# Altium PCB IMX6 DEV BOARD.PcbDoc (part 1 of 12) (continued)
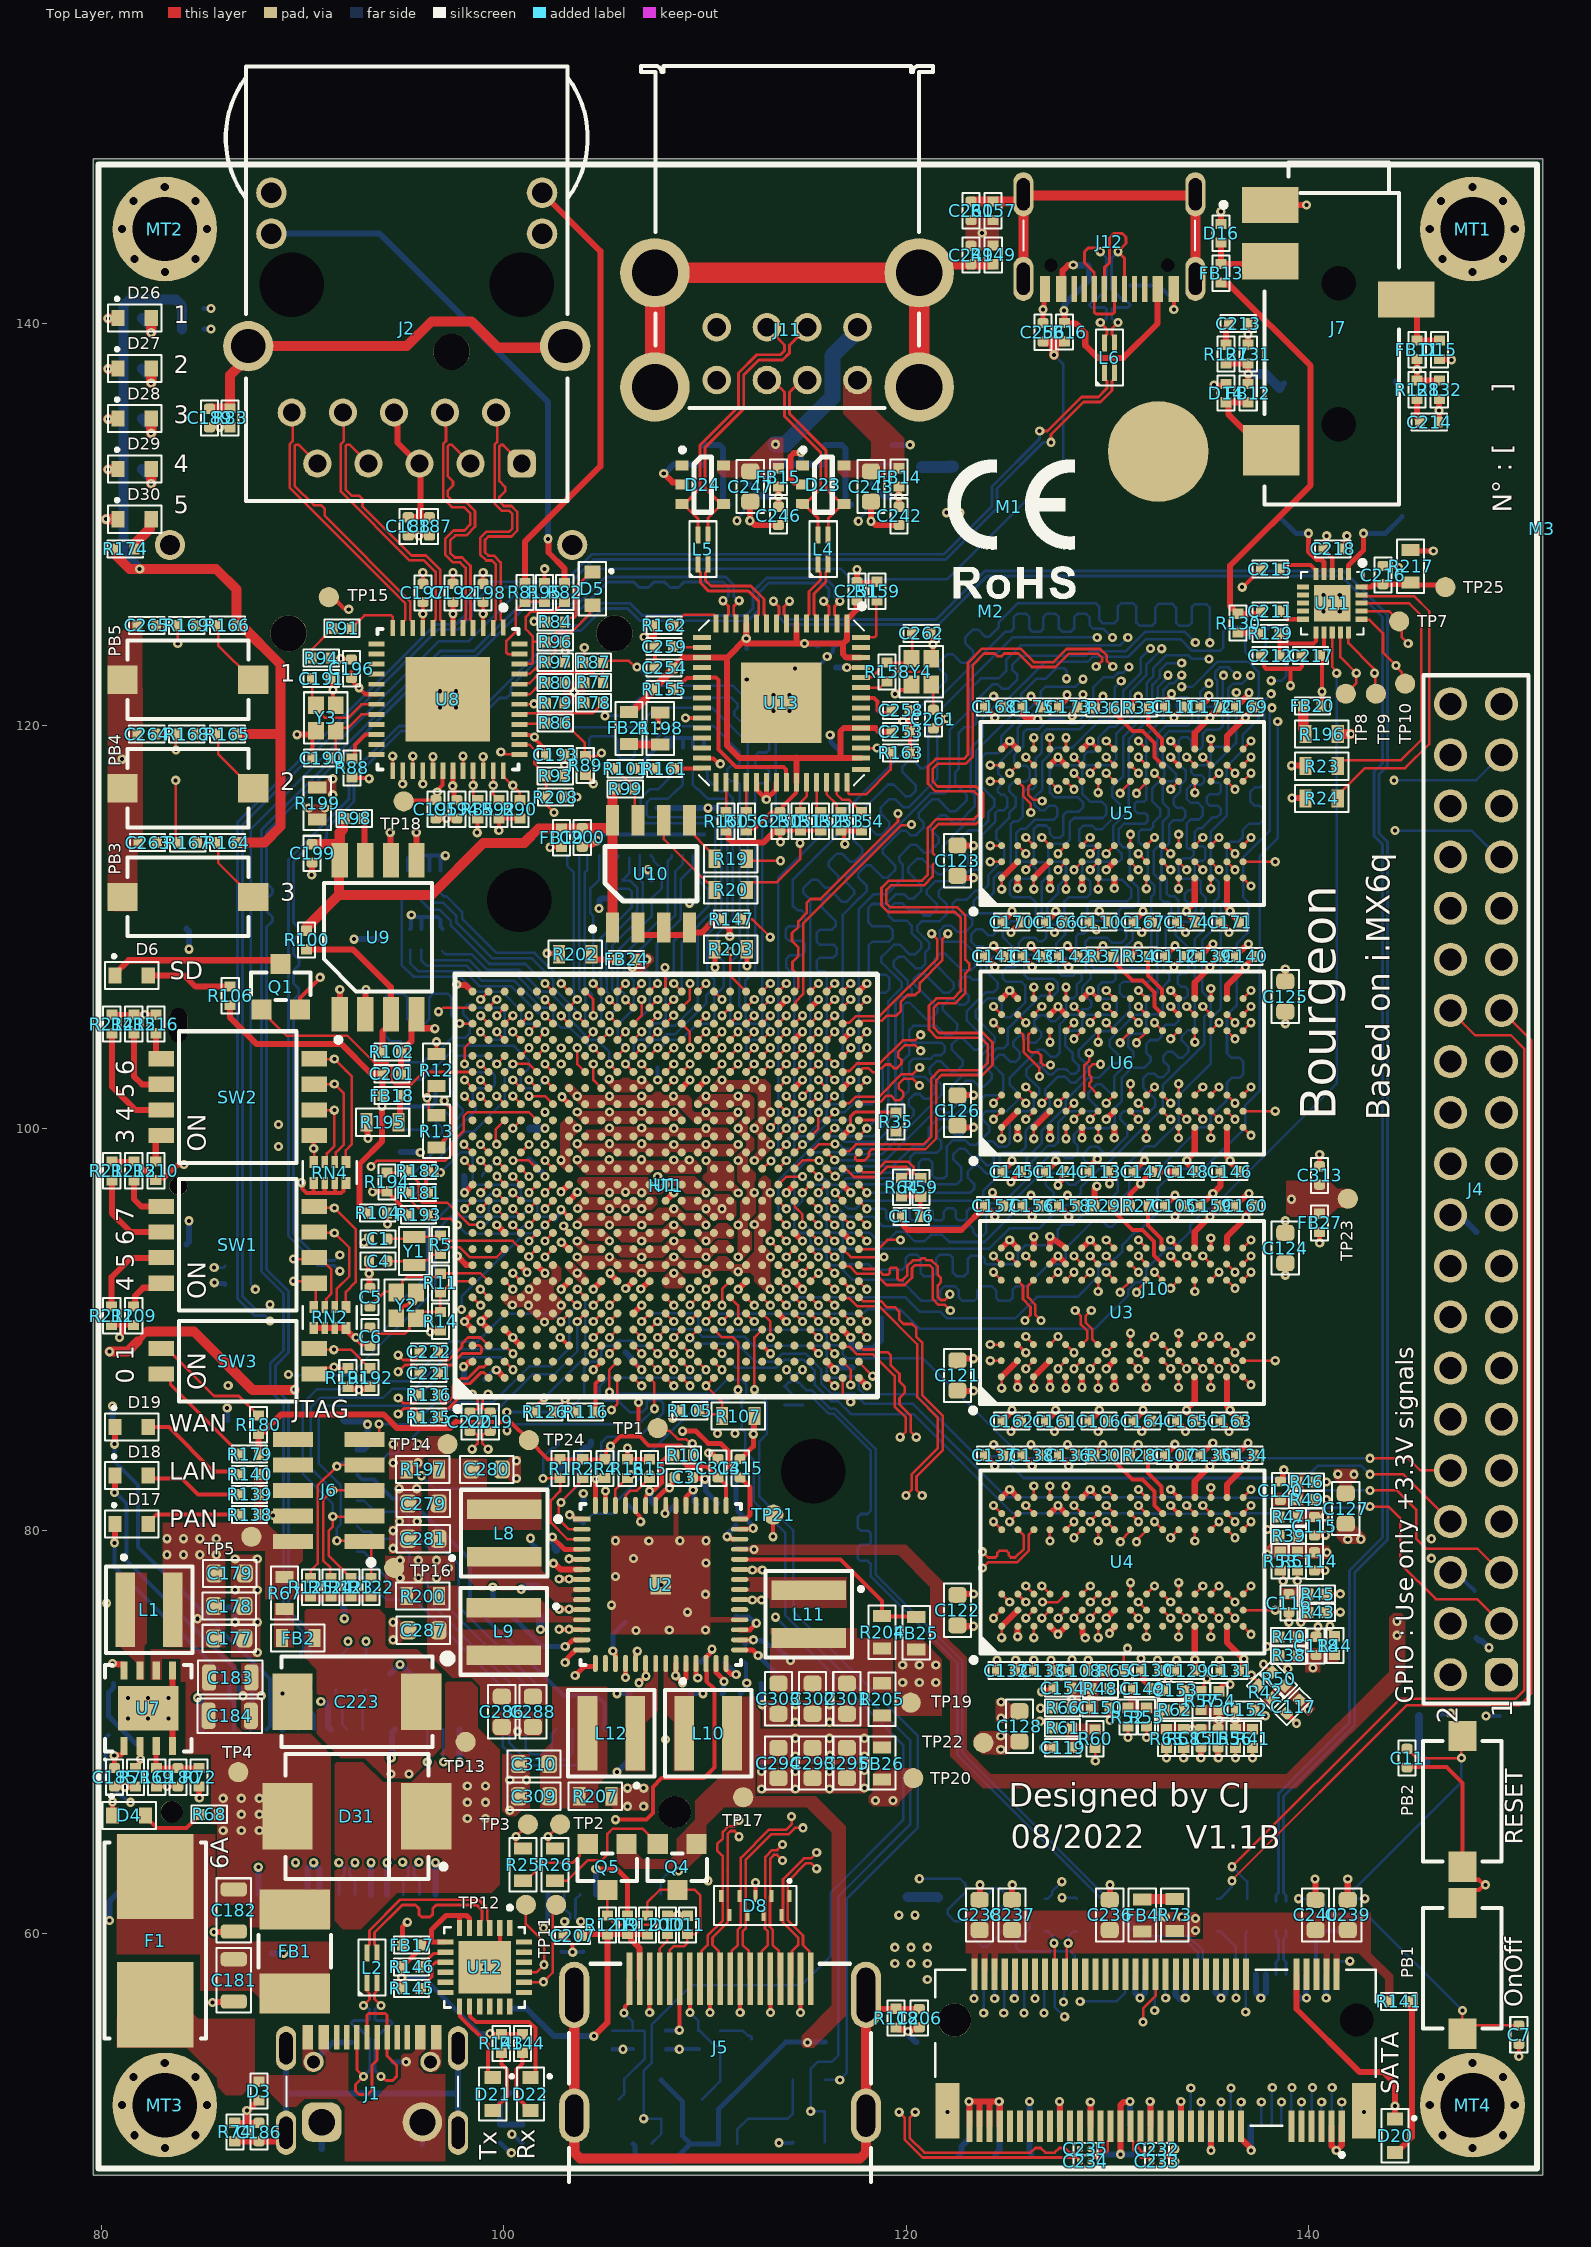
[diagram p0: Top Layer view]
## Classes and differential pairs (continued)
differential pair PCIe_REFCLK: +PCIe_REFCLK_P -PCIe_REFCLK_N
differential pair PCIe_REFCLK_C: +PCIe_REFCLK_C_P -PCIe_REFCLK_C_N
differential pair HDMI_D2: +HDMI_D2_P -HDMI_D2_N
differential pair HDMI_D1: +HDMI_D1_P -HDMI_D1_N
differential pair HDMI_D0: +HDMI_D0_P -HDMI_D0_N
differential pair HDMI_CLK: +HDMI_CLK_P -HDMI_CLK_N
differential pair DRAM_DQS7: +DRAM_DQS7_P -DRAM_DQS7_N
differential pair DRAM_DQS6: +DRAM_DQS6_P -DRAM_DQS6_N
differential pair DRAM_DQS5: +DRAM_DQS5_P -DRAM_DQS5_N
differential pair DRAM_DQS4: +DRAM_DQS4_P -DRAM_DQS4_N
differential pair DRAM_DQS3: +DRAM_DQS3_P -DRAM_DQS3_N
differential pair DRAM_DQS2: +DRAM_DQS2_P -DRAM_DQS2_N
differential pair DRAM_DQS1: +DRAM_DQS1_P -DRAM_DQS1_N
differential pair DRAM_DQS0: +DRAM_DQS0_P -DRAM_DQS0_N
differential pair DRAM_CLK1: +DRAM_CLK1_P -DRAM_CLK1_N
differential pair DRAM_CLK0: +DRAM_CLK0_P -DRAM_CLK0_N

## Components (designator, comment, footprint, x,y, rotation, side; value= is the part's Value field where it differs from the comment)
BT1 "79578211" "Battery holder" 97.4,129 r0 bottom locked
C1 "22pF" "Cap cer 0402/1005" 93.75,94.5 r180 top
C2 "0.1µ" "Cap cer 0402/1005" 105.05,80.85 r270 bottom
C3 "1µ" "Cap cer 0402/1005" 108.95,82.65 r0 top
C4 "22pF" "Cap cer 0402/1005" 93.75,93.4 r180 top
C5 "22pF" "Cap cer 0402/1005" 93.35,91.6 r90 top
C6 "22pF" "Cap cer 0402/1005" 93.35,89.643 r270 top
C7 "0.1µ" "Cap cer 0402/1005" 150.45,54.95 r270 top
C8 "1µ" "Cap cer 0402/1005" 108.544,80.85 r270 bottom
C9 "1µ" "Cap cer 0402/1005" 107.474,80.85 r270 bottom
C10 "1µ" "Cap cer 0402/1005" 106.15,80.85 r270 bottom
C11 "0.1µ" "Cap cer 0402/1005" 144.9,68.7 r270 top
C12 "0.22µ" "CAP CER 0201/0603" 108.95,94.2 r270 bottom locked
C13 "0.22µ" "CAP CER 0201/0603" 110.555,94.197 r270 bottom locked
C14 "0.22µ" "CAP CER 0201/0603" 111.15,94.2 r270 bottom locked
C15 "0.22µ" "CAP CER 0201/0603" 109.525,98.65 r90 bottom locked
C16 "0.22µ" "CAP CER 0201/0603" 106.345,94.873 r90 bottom locked
C17 "0.22µ" "CAP CER 0201/0603" 106.345,98.648 r90 bottom locked
C18 "22µ" "Cap cer 0603/4608" 103.2,97.625 r180 bottom locked
C19 "0.22µ" "CAP CER 0201/0603" 104.75,96.6 r270 bottom locked
C20 "0.22µ" "CAP CER 0201/0603" 109.545,94.873 r90 bottom locked
C21 "0.22µ" "CAP CER 0201/0603" 109.55,96.6 r270 bottom locked
C22 "0.22µ" "CAP CER 0201/0603" 105.75,94.875 r90 bottom locked
C23 "22µ" "Cap cer 0603/4608" 107.65,95.625 r90 bottom locked
C24 "0.22µ" "CAP CER 0201/0603" 104.17,98.648 r90 bottom locked
C25 "0.22µ" "CAP CER 0201/0603" 106.355,94.177 r270 bottom locked
C26 "0.22µ" "CAP CER 0201/0603" 105.75,94.175 r270 bottom locked
C27 "0.22µ" "CAP CER 0201/0603" 105.75,98.65 r90 bottom locked
C28 "0.22µ" "CAP CER 0201/0603" 108.92,98.648 r90 bottom locked
C29 "0.22µ" "CAP CER 0201/0603" 109.555,94.197 r270 bottom locked
C30 "0.22µ" "CAP CER 0201/0603" 104.775,98.65 r90 bottom locked
C31 "22µ" "Cap cer 0603/4608" 107.65,92.975 r270 bottom locked
C32 "0.22µ" "CAP CER 0201/0603" 105.755,96.602 r270 bottom locked
C33 "0.22µ" "CAP CER 0201/0603" 108.95,94.875 r90 bottom locked
C34 "0.22µ" "CAP CER 0201/0603" 104.145,94.873 r90 bottom locked
C35 "0.22µ" "CAP CER 0201/0603" 106.355,96.602 r270 bottom locked
C36 "22µ" "Cap cer 0603/4608" 105.85,97.625 r0 bottom locked
C37 "0.22µ" "CAP CER 0201/0603" 111.155,100.372 r270 bottom locked
C38 "0.22µ" "CAP CER 0201/0603" 104.175,100.375 r270 bottom locked
C39 "0.22µ" "CAP CER 0201/0603" 110.555,100.372 r270 bottom locked
C40 "0.22µ" "CAP CER 0201/0603" 105.755,100.377 r270 bottom locked
C41 "0.22µ" "CAP CER 0201/0603" 106.355,100.377 r270 bottom locked
C42 "0.22µ" "CAP CER 0201/0603" 104.78,100.377 r270 bottom locked
C43 "0.22µ" "CAP CER 0201/0603" 108.93,100.372 r270 bottom locked
C44 "0.22µ" "CAP CER 0201/0603" 109.53,100.372 r270 bottom locked
C45 "0.22µ" "CAP CER 0201/0603" 102.548,96.405 r0 bottom locked
C46 "0.22µ" "CAP CER 0201/0603" 110.545,98.653 r90 bottom locked
C47 "0.22µ" "CAP CER 0201/0603" 110.555,96.597 r270 bottom locked
C48 "0.22µ" "CAP CER 0201/0603" 103.033,93.095 r180 bottom locked
C49 "0.22µ" "CAP CER 0201/0603" 111.145,94.873 r90 bottom locked
C50 "0.22µ" "CAP CER 0201/0603" 110.545,94.873 r90 bottom locked
C51 "22µ" "Cap cer 0603/4608" 101.25,99.2 r270 bottom
C52 "22µ" "Cap cer 0603/4608" 107.65,99.625 r270 bottom locked
C53 "22µ" "Cap cer 0603/4608" 102.861,103.566 r90 bottom
C54 "22µ" "Cap cer 0603/4608" 109.45,97.625 r180 bottom locked
C55 "0.22µ" "CAP CER 0201/0603" 108.955,96.602 r270 bottom locked
C56 "0.22µ" "CAP CER 0201/0603" 106.345,92.448 r90 bottom locked
C57 "0.22µ" "CAP CER 0201/0603" 104.145,92.478 r90 bottom locked
C58 "0.22µ" "CAP CER 0201/0603" 111.15,98.65 r90 bottom locked
C59 "0.22µ" "CAP CER 0201/0603" 111.155,96.597 r270 bottom locked
C60 "0.22µ" "CAP CER 0201/0603" 112.15,98.9 r0 bottom locked
C61 "0.22µ" "CAP CER 0201/0603" 111.145,101.053 r90 bottom locked
C62 "0.22µ" "CAP CER 0201/0603" 109.525,101.575 r270 bottom locked
C63 "0.22µ" "CAP CER 0201/0603" 110.55,101.05 r90 bottom locked
C64 "0.22µ" "CAP CER 0201/0603" 112.153,99.505 r0 bottom locked
C65 "22µ" "Cap cer 0603/4608" 112.1,97.625 r0 bottom locked
C66 "22µ" "Cap cer 0603/4608" 111.65,92.5 r180 bottom locked
C67 "0.22µ" "CAP CER 0201/0603" 104.17,101.053 r90 bottom locked
C68 "0.22µ" "CAP CER 0201/0603" 104.775,101.05 r90 bottom locked
C69 "0.22µ" "CAP CER 0201/0603" 106.345,101.053 r90 bottom locked
C70 "0.22µ" "CAP CER 0201/0603" 105.745,101.053 r90 bottom locked
C71 "0.22µ" "CAP CER 0201/0603" 103.15,101.1 r180 bottom locked
C72 "22µ" "Cap cer 0603/4608" 107.65,102.275 r90 bottom locked
C73 "0.22µ" "CAP CER 0201/0603" 112.153,94.805 r0 bottom locked
C74 "0.22µ" "CAP CER 0201/0603" 112.15,94.175 r0 bottom locked
C75 "0.22µ" "CAP CER 0201/0603" 112.153,101.105 r0 bottom locked
C76 "0.22µ" "CAP CER 0201/0603" 112.2,96.375 r0 bottom locked
C77 "0.22µ" "CAP CER 0201/0603" 112.15,93.575 r0 bottom locked
C78 "0.22µ" "CAP CER 0201/0603" 112.153,100.505 r0 bottom locked
C79 "0.22µ" "CAP CER 0201/0603" 104.15,94.2 r270 bottom
C80 "22µ" "Cap cer 0603/4608" 111.65,85.8 r0 bottom
C81 "0.22µ" "CAP CER 0201/0603" 103.152,98.895 r180 bottom locked
C82 "0.22µ" "CAP CER 0201/0603" 103.147,99.495 r180 bottom locked
C83 "0.22µ" "CAP CER 0201/0603" 108.93,101.577 r270 bottom locked
C84 "0.22µ" "CAP CER 0201/0603" 106.35,102.775 r270 bottom locked
C85 "0.22µ" "CAP CER 0201/0603" 104.75,92.475 r90 bottom locked
C86 "0.22µ" "CAP CER 0201/0603" 103.033,92.495 r180 bottom locked
C87 "0.22µ" "CAP CER 0201/0603" 105.745,92.448 r90 bottom locked
C88 "0.22µ" "CAP CER 0201/0603" 104.15,96.6 r270 bottom locked
C89 "0.22µ" "CAP CER 0201/0603" 105.873,91.23 r0 bottom
C90 "0.22µ" "CAP CER 0201/0603" 111.91,91.448 r180 bottom locked
C91 "0.22µ" "CAP CER 0201/0603" 104.745,94.878 r90 bottom locked
C92 "22µ" "Cap cer 0603/4608" 106.05,89.6 r270 bottom
C93 "0.22µ" "CAP CER 0201/0603" 109.55,92.475 r90 bottom locked
C94 "0.22µ" "CAP CER 0201/0603" 108.95,92.475 r90 bottom locked
C95 "0.22µ" "CAP CER 0201/0603" 105.755,102.772 r270 bottom locked
C96 "0.22µ" "CAP CER 0201/0603" 103.147,100.495 r180 bottom locked
C97 "0.22µ" "CAP CER 0201/0603" 104.78,102.772 r270 bottom locked
C98 "0.22µ" "CAP CER 0201/0603" 103.15,101.995 r180 bottom locked
C99 "0.22µ" "CAP CER 0201/0603" 109.798,102.88 r0 bottom locked
C100 "0.22µ" "CAP CER 0201/0603" 102.548,95.455 r0 bottom locked
C101 "0.22µ" "CAP CER 0201/0603" 102.548,94.855 r0 bottom locked
C102 "0.22µ" "CAP CER 0201/0603" 101.6,93.075 r270 bottom locked
C103 "22µ" "Cap cer 0603/4608" 102.029,90.732 r270 bottom
C104 "0.22µ" "CAP CER 0201/0603" 102.498,93.705 r0 bottom
C105 "0.22µ" "Cap cer 0402/1005" 133.33,96.15 r180 top locked
C106 "0.22µ" "Cap cer 0402/1005" 129.581,85.45 r0 top locked
C107 "0.22µ" "Cap cer 0402/1005" 133.33,83.75 r180 top locked
C108 "0.22µ" "Cap cer 0402/1005" 128.584,73.047 r0 top locked
C109 "0.22µ" "Cap cer 0402/1005" 117.321,88.566 r90 bottom
C110 "0.22µ" "Cap cer 0402/1005" 129.581,110.25 r0 top locked
C111 "0.22µ" "Cap cer 0402/1005" 133.33,120.95 r180 top locked
C112 "0.22µ" "Cap cer 0402/1005" 133.33,108.55 r180 top locked
C113 "0.22µ" "Cap cer 0402/1005" 129.581,97.85 r0 top locked
C114 "0.22µ" "Cap cer 0402/1005" 140.296,78.475 r270 top locked
C115 "0.22µ" "Cap cer 0402/1005" 140.294,80.225 r270 top locked
C116 "0.22µ" "Cap cer 0402/1005" 139.019,76.4 r270 top locked
C117 "0.22µ" "Cap cer 0402/1005" 139.23,71.252 r225 top locked
C118 "0.22µ" "Cap cer 0402/1005" 140.375,74.275 r90 top locked
C119 "0.22µ" "Cap cer 0402/1005" 127.784,69.213 r180 top locked
C120 "0.22µ" "Cap cer 0402/1005" 138.598,81.989 r90 top locked
C121 "22µ" "Cap cer 0603/4608" 122.544,87.718 r270 top locked
C122 "22µ" "Cap cer 0603/4608" 122.544,76.05 r270 top locked
C123 "22µ" "Cap cer 0603/4608" 122.544,113.304 r270 top locked
C124 "22µ" "Cap cer 0603/4608" 138.844,94.05 r90 top locked
C125 "22µ" "Cap cer 0603/4608" 138.844,106.55 r90 top locked
C126 "22µ" "Cap cer 0603/4608" 122.544,100.886 r270 top locked
C127 "22µ" "Cap cer 0603/4608" 141.85,81.1 r90 top locked
C128 "22µ" "Cap cer 0603/4608" 125.625,70.275 r90 top locked
C129 "0.22µ" "Cap cer 0402/1005" 133.918,73.05 r180 top locked
C130 "0.22µ" "Cap cer 0402/1005" 132.144,73.052 r0 top locked
C131 "0.22µ" "Cap cer 0402/1005" 136.087,73.05 r180 top locked
C132 "0.22µ" "Cap cer 0402/1005" 124.969,73.05 r0 top locked
C133 "0.22µ" "Cap cer 0402/1005" 126.813,73.05 r0 top locked
C134 "0.22µ" "Cap cer 0402/1005" 136.844,83.75 r180 top locked
C135 "0.22µ" "Cap cer 0402/1005" 135.087,83.75 r180 top locked
C136 "0.22µ" "Cap cer 0402/1005" 128.058,83.75 r0 top locked
C137 "0.22µ" "Cap cer 0402/1005" 124.387,83.75 r0 top locked
C138 "0.22µ" "Cap cer 0402/1005" 126.244,83.75 r0 top locked
C139 "0.22µ" "Cap cer 0402/1005" 135.075,108.55 r180 top locked
C140 "0.22µ" "Cap cer 0402/1005" 136.844,108.55 r180 top locked
C141 "0.22µ" "Cap cer 0402/1005" 124.387,108.55 r0 top locked
C142 "0.22µ" "Cap cer 0402/1005" 128.058,108.55 r0 top locked
C143 "0.22µ" "Cap cer 0402/1005" 126.244,108.55 r0 top locked
C144 "0.22µ" "Cap cer 0402/1005" 127.413,97.85 r0 top locked
C145 "0.22µ" "Cap cer 0402/1005" 125.244,97.85 r0 top locked
C146 "0.22µ" "Cap cer 0402/1005" 136.087,97.85 r180 top locked
C147 "0.22µ" "Cap cer 0402/1005" 131.75,97.85 r0 top locked
C148 "0.22µ" "Cap cer 0402/1005" 133.918,97.85 r180 top locked
C149 "0.1µ" "Cap cer 0402/1005" 131.724,72.15 r0 top locked
C150 "0.22µ" "Cap cer 0402/1005" 129.644,71.188 r0 top locked
C151 "0.22µ" "Cap cer 0402/1005" 134.652,69.682 r270 top locked
C152 "0.22µ" "Cap cer 0402/1005" 136.85,71.094 r0 top locked
C153 "0.22µ" "Cap cer 0402/1005" 133.368,72.064 r180 top locked
C154 "0.22µ" "Cap cer 0402/1005" 127.784,72.175 r180 top locked
C155 "0.22µ" "Cap cer 0402/1005" 135.507,69.682 r270 top locked
C156 "0.22µ" "Cap cer 0402/1005" 126.244,96.15 r0 top locked
C157 "0.22µ" "Cap cer 0402/1005" 124.387,96.15 r0 top locked
C158 "0.22µ" "Cap cer 0402/1005" 128.058,96.15 r0 top locked
C159 "0.22µ" "Cap cer 0402/1005" 135.087,96.15 r180 top locked
C160 "0.22µ" "Cap cer 0402/1005" 136.844,96.15 r180 top locked
C161 "0.22µ" "Cap cer 0402/1005" 127.413,85.45 r0 top locked
C162 "0.22µ" "Cap cer 0402/1005" 125.244,85.45 r0 top locked
C163 "0.22µ" "Cap cer 0402/1005" 136.087,85.45 r180 top locked
C164 "0.22µ" "Cap cer 0402/1005" 131.75,85.45 r0 top locked
C165 "0.22µ" "Cap cer 0402/1005" 133.918,85.45 r180 top locked
C166 "0.22µ" "Cap cer 0402/1005" 127.413,110.25 r0 top locked
C167 "0.22µ" "Cap cer 0402/1005" 131.75,110.25 r0 top locked
C168 "0.22µ" "Cap cer 0402/1005" 124.387,120.95 r0 top locked
C169 "0.22µ" "Cap cer 0402/1005" 136.844,120.95 r180 top locked
C170 "0.22µ" "Cap cer 0402/1005" 125.244,110.25 r0 top locked
C171 "0.22µ" "Cap cer 0402/1005" 136.087,110.25 r180 top locked
C172 "0.22µ" "Cap cer 0402/1005" 135.087,120.95 r180 top locked
C173 "0.22µ" "Cap cer 0402/1005" 128.058,120.95 r0 top locked
C174 "0.22µ" "Cap cer 0402/1005" 133.918,110.25 r180 top locked
C175 "0.22µ" "Cap cer 0402/1005" 126.244,120.95 r0 top locked
C176 "0.1µ" "Cap cer 0402/1005" 120.25,95.625 r180 top locked
C177 "22µ" "Cap cer 0603/4608" 86.35,74.65 r0 top locked
C178 "22µ" "Cap cer 0603/4608" 86.35,76.25 r0 top locked
C179 "22µ" "Cap cer 0603/4608" 86.375,77.875 r0 top locked
C180 "DNP" "Cap cer 0402/1005" 83.797,67.746 r90 top
C181 "22µ" "Cap cer 0805/2012" 86.575,57.7 r270 top
C182 "22µ" "Cap cer 0805/2012" 86.575,61.175 r270 top
C183 "22µ" "Cap cer 0805/2012" 86.35,72.7 r0 top locked
C184 "22µ" "Cap cer 0805/2012" 86.325,70.8 r0 top locked
C185 "1µ" "Cap cer 0402/1005" 80.65,67.75 r270 top
C186 "0.1µ" "Cap cer 0402/1005" 87.825,50.112 r90 top
C187 "0.1µ" "Cap cer 0402/1005" 96.3,129.918 r270 top
C188 "0.1µ" "Cap cer 0402/1005" 95.25,129.918 r270 top
C189 "0.1µ" "Cap cer 0402/1005" 85.375,135.307 r270 top
C190 "22pF" "Cap cer 0402/1005" 90.95,118.4 r180 top
C191 "22pF" "Cap cer 0402/1005" 90.925,122.35 r0 top
C192 "1µ" "Cap cer 0402/1005" 97.475,126.612 r90 top
C193 "1µ" "Cap cer 0402/1005" 102.562,118.575 r0 top
C194 "1µ" "Cap cer 0402/1005" 97.668,115.863 r270 top
C195 "1µ" "Cap cer 0402/1005" 96.625,115.863 r270 top
C196 "1µ" "Cap cer 0402/1005" 92.425,122.843 r90 top
C197 "1µ" "Cap cer 0402/1005" 95.975,126.612 r90 top
C198 "1µ" "Cap cer 0402/1005" 98.975,126.612 r90 top
C199 "1µ" "Cap cer 0402/1005" 90.475,113.668 r270 top
C200 "1µ" "Cap cer 0402/1005" 103.9,114.457 r270 top
C201 "1µ" "Cap cer 0402/1005" 94.437,102.71 r0 top
C202 "1µ" "Cap cer 0402/1005" 149.957,70.8 r180 bottom
C203 "1µ" "Cap cer 0402/1005" 148.35,94.4 r90 bottom
C204 "1µ" "Cap cer 0402/1005" 148.275,76.575 r90 bottom
C205 "1µ" "Cap cer 0402/1005" 148.275,74.2 r90 bottom
C206 "0.1µ" "Cap cer 0402/1005" 120.65,55.775 r270 top
C207 "1µ" "Cap cer 0402/1005" 103.418,59.875 r180 top locked
C208 "1µ" "Cap cer 0402/1005" 100.925,50.032 r270 bottom
C209 "220uF" "cap polymer wurth" 144.65,133.6 r90 bottom
C210 "220uF" "cap polymer wurth" 138.55,133.6 r90 bottom
C211 "0.1µ" "Cap cer 0402/1005" 138.1,125.7 r180 top
C212 "1µ" "Cap cer 0402/1005" 138.1,123.5 r0 top
C213 "0.1µ" "Cap cer 0402/1005" 136.5,140 r0 top locked
C214 "0.1µ" "Cap cer 0402/1005" 146,135.1 r0 top locked
C215 "0.1µ" "Cap cer 0402/1005" 138.1,127.8 r180 top
C216 "1µ" "Cap cer 0402/1005" 143.7,127.5 r270 top
C217 "1µ" "Cap cer 0402/1005" 140.1,123.5 r0 top
C218 "1µ" "Cap cer 0402/1005" 141.2,128.8 r180 top
C219 "0.1µ" "Cap cer 0402/1005" 99.325,85.418 r270 top locked
C220 "0.1µ" "Cap cer 0402/1005" 98.317,85.418 r270 top locked
C221 "0.1µ" "Cap cer 0402/1005" 96.268,87.825 r180 top
C222 "0.1µ" "Cap cer 0402/1005" 96.268,88.892 r180 top
C223 "220uF" "cap polymer wurth" 92.7,71.5 r0 top
C225 "1µ" "Cap cer 0402/1005" 83.725,72.125 r180 bottom
C226 "1µ" "Cap cer 0402/1005" 88.45,59.537 r270 bottom
C227 "1µ" "Cap cer 0402/1005" 89.55,59.537 r270 bottom
C228 "1µ" "Cap cer 0402/1005" 95.35,72.446 r90 bottom
C229 "4.7µ" "Cap cer 0402/1005" 112.15,68.8 r0 bottom
C230 "4.7µ" "Cap cer 0402/1005" 94.35,72.446 r90 bottom
C231 "4.7µ" "Cap cer 0402/1005" 86.35,72.125 r0 bottom
C232 "10n" "CAP CER 0201/0603" 132.72,49.263 r180 top
C233 "10n" "CAP CER 0201/0603" 132.721,48.662 r180 top
C234 "10n" "CAP CER 0201/0603" 128.645,48.65 r0 top
C235 "10n" "CAP CER 0201/0603" 128.643,49.269 r0 top
C236 "22µ" "Cap cer 0603/4608" 130.117,60.9 r90 top
C237 "22µ" "Cap cer 0603/4608" 125.267,60.9 r90 top
C238 "22µ" "Cap cer 0603/4608" 123.65,60.9 r90 top
C239 "22µ" "Cap cer 0603/4608" 141.95,60.9 r90 top
C240 "22µ" "Cap cer 0603/4608" 140.35,60.9 r90 top
C241 "1µ" "Cap cer 0402/1005" 114.775,132.557 r90 bottom locked
C242 "4.7µ" "Cap cer 0402/1005" 119.65,130.443 r270 top
C243 "22µ" "Cap cer 0603/4608" 118.25,131.9 r270 top locked
C244 "DNP" "Cap cer 0402/1005" 119.325,133.5 r90 bottom locked
C245 "1µ" "Cap cer 0402/1005" 108.65,132.557 r90 bottom locked
C246 "4.7µ" "Cap cer 0402/1005" 113.65,130.443 r270 top
C247 "22µ" "Cap cer 0603/4608" 112.25,131.9 r270 top locked
C248 "DNP" "Cap cer 0402/1005" 113.35,132.557 r90 bottom locked
C249 "0.1µ" "Cap cer 0402/1005" 123.225,143.407 r90 top
C250 "1µ" "Cap cer 0402/1005" 113.725,115.263 r270 top
C251 "1µ" "Cap cer 0402/1005" 117.55,126.7 r90 top
C252 "1µ" "Cap cer 0402/1005" 116.05,124 r0 bottom
C253 "1µ" "Cap cer 0402/1005" 119.724,119.714 r0 top
C254 "1µ" "Cap cer 0402/1005" 107.963,122.882 r180 top
C255 "1µ" "Cap cer 0402/1005" 112.075,123.375 r270 bottom
C256 "1µ" "Cap cer 0402/1005" 126.8,139.568 r90 top
C257 "4.7µ" "Cap cer 0402/1005" 116.05,122.9 r180 bottom
C258 "4.7µ" "Cap cer 0402/1005" 119.724,120.776 r0 top
C259 "4.7µ" "Cap cer 0402/1005" 107.963,123.943 r180 top
C260 "0.1µ" "Cap cer 0402/1005" 123.225,145.607 r270 top
C261 "22pF" "Cap cer 0402/1005" 121.35,120.343 r270 top
C262 "22pF" "Cap cer 0402/1005" 120.75,124.6 r0 top
C263 "0.1µ" "Cap cer 0402/1005" 82.293,114.2 r180 top
C264 "0.1µ" "Cap cer 0402/1005" 82.25,119.6 r180 top
C265 "0.1µ" "Cap cer 0402/1005" 82.25,125 r180 top
C266 "1µ" "Cap cer 0402/1005" 84.45,140.75 r0 bottom
C267 "22µ" "Cap cer 0603/4608" 120.5,53.825 r90 bottom
C268 "4.7µ" "Cap cer 0402/1005" 123.093,49 r180 bottom
C269 "4.7µ" "Cap cer 0402/1005" 129.307,49 r0 bottom
C270 "4.7µ" "Cap cer 0402/1005" 126.693,49 r180 bottom
C271 "4.7µ" "Cap cer 0402/1005" 124.907,49 r180 bottom
C272 "4.7µ" "Cap cer 0402/1005" 131.993,49 r180 bottom
C273 "0.1µ" "Cap cer 0402/1005" 104.407,77.95 r0 bottom
C274 "4.7µ" "Cap cer 0402/1005" 104.407,79.05 r0 bottom
C276 "1µ" "Cap cer 0402/1005" 106.05,75.9 r90 bottom
C277 "22µ" "Cap cer 0603/4608" 101.6,76.65 r90 bottom
C278 "0.1µ" "Cap cer 0402/1005" 104.407,75.75 r0 bottom
C279 "22µ" "Cap cer 0603/4608" 96,81.35 r180 top
C280 "22µ" "Cap cer 0603/4608" 99.15,83.05 r0 top
C281 "22µ" "Cap cer 0603/4608" 96,79.6 r180 top
C282 "4.7µ" "Cap cer 0402/1005" 104.407,76.85 r0 bottom
C283 "1µ" "Cap cer 0402/1005" 106.05,73.9 r90 bottom
C284 "0.1µ" "Cap cer 0402/1005" 104.407,74.65 r0 bottom
C285 "4.7µ" "Cap cer 0402/1005" 104.407,73.55 r0 bottom
C286 "22µ" "Cap cer 0603/4608" 99.9,71 r270 top
C287 "22µ" "Cap cer 0603/4608" 96,75.05 r180 top
C288 "22µ" "Cap cer 0603/4608" 101.45,71 r270 top
C289 "1µ" "Cap cer 0402/1005" 111.3,71.875 r0 bottom
C290 "1µ" "Cap cer 0402/1005" 109.737,73.9 r90 bottom
C291 "0.1µ" "Cap cer 0402/1005" 108.508,73.9 r90 bottom
C292 "4.7µ" "Cap cer 0402/1005" 108.85,71.9 r0 bottom
C293 "22µ" "Cap cer 0603/4608" 115.35,68.45 r270 top
C294 "22µ" "Cap cer 0603/4608" 113.65,68.45 r270 top
C295 "22µ" "Cap cer 0603/4608" 117.05,68.45 r270 top
C296 "4.7µ" "Cap cer 0402/1005" 110.966,73.9 r90 bottom
C297 "0.1µ" "Cap cer 0402/1005" 111.093,76.85 r180 bottom
C298 "1µ" "Cap cer 0402/1005" 111.09,80.288 r180 bottom
C299 "4.7µ" "Cap cer 0402/1005" 111.093,77.95 r180 bottom
C300 "1µ" "Cap cer 0402/1005" 111.093,79.15 r180 bottom
C301 "22µ" "Cap cer 0603/4608" 117.05,71.65 r270 top
C302 "22µ" "Cap cer 0603/4608" 115.35,71.65 r270 top
C303 "22µ" "Cap cer 0603/4608" 113.65,71.65 r270 top
C304 "4.7µ" "Cap cer 0402/1005" 111.093,81.35 r180 bottom
C305 "0.1µ" "Cap cer 0402/1005" 107.279,73.9 r90 bottom
C306 "0.1µ" "Cap cer 0402/1005" 113.1,73.9 r270 bottom
C307 "1µ" "Cap cer 0402/1005" 112,73.9 r270 bottom
C308 "4.7µ" "Cap cer 0402/1005" 106.75,71.9 r180 bottom
C309 "22µ" "Cap cer 0603/4608" 101.5,66.8 r180 top
C310 "22µ" "Cap cer 0603/4608" 101.5,68.4 r180 top
C311 "0.1µ" "Cap cer 0402/1005" 113.25,72.4 r180 bottom
C312 "1µ" "Cap cer 0402/1005" 111.093,75.75 r180 bottom
C313 "1µ" "Cap cer 0402/1005" 140.55,97.657 r90 top
C314 "1µ" "Cap cer 0402/1005" 110.65,83.107 r90 top
C315 "1µ" "Cap cer 0402/1005" 111.75,83.107 r90 top
D1 "1N4148" "diode SOD-123" 108.875,82.975 r180 bottom
D2 "5Vdc, 2pF" Sot-23-5 92.185,53.239 r90 bottom locked
D3 "TVS 5V" "inductor 0402/1005" 87.825,52.15 r270 top
D4 "Red, 2V, 120deg" "LED red 0603" 81.3,65.85 r0 top
D5 "Red, 2V, 120deg" "LED red 0603" 104.4,126.9 r270 top
D6 "Red, 2V, 120deg" "LED red 0603" 81.425,107.6 r0 top
D7 "1N4148" "diode SOD-123" 116,54.575 r180 bottom
D8 "5Vdc, 0.5pF" "TVS 8 pin" 112.508,61.364 r180 top locked
D9 "TVS 5V" "inductor 0402/1005" 106.147,60.407 r90 top locked
D10 "TVS 5V" "inductor 0402/1005" 108.132,60.407 r90 top locked
D11 "TVS 5V" "inductor 0402/1005" 109.125,60.407 r90 top locked
D12 "TVS 5V" "inductor 0402/1005" 109.7,54.693 r270 bottom
D13 "TVS 5V" "inductor 0402/1005" 106.425,54.693 r270 bottom
D14 "TVS 5V" "inductor 0402/1005" 135.9,136.543 r90 top locked
D15 "TVS 5V" "inductor 0402/1005" 146.5,138.7 r270 top locked
D16 "TVS 5V" "inductor 0402/1005" 135.654,144.493 r90 top locked
D17 "Red, 2V, 120deg" "LED red 0603" 81.425,80.325 r0 top
D18 "Red, 2V, 120deg" "LED red 0603" 81.425,82.738 r0 top
D19 "Red, 2V, 120deg" "LED red 0603" 81.425,85.15 r0 top
D20 "Red, 2V, 120deg" "LED red 0603" 144.3,50 r270 top
D21 "Red, 2V, 120deg" "LED red 0603" 99.45,52.075 r270 top
D22 "Red, 2V, 120deg" "LED red 0603" 101.325,52.075 r270 top
D23 "5Vdc, 2pF" Sot-23-5 114.625,133.321 r270 top locked
D24 "5Vdc, 2pF" Sot-23-5 108.625,133.321 r270 top locked
D25 "5Vdc, 2pF" Sot-23-5 131.375,143.211 r270 bottom
D26 "Bright Green, 2V, 120deg" "LED green 0603" 81.575,140.275 r0 top
D27 "Yellow, 2V, 120deg" "LED yellow 0603" 81.575,137.775 r0 top
D28 "Red, 2V, 120deg" "LED red 0603" 81.575,135.275 r0 top
D29 "Red, 2V, 120deg" "LED red 0603" 81.575,132.775 r0 top
D30 "Blue, 3.2V, 120deg" "LED blue 0603" 81.65,130.275 r0 top
D31 "SMLJ60S6" DO-214AB 92.7,65.8 r180 top
F1 "8A" "Fuse holder SMD 01550900M" 82.8,59.5 r90 top
F2 "MF-MSMF030-2" "Fuse 1812/4532 MF-MSMF050-2" 150.05,68.5 r180 bottom
F3 "MF-MSMF030-2" "Fuse 1812/4532 MF-MSMF050-2" 144.15,72.5 r90 bottom
F4 "MF-MSMF030-2" "Fuse 1812/4532 MF-MSMF050-2" 100.275,52.05 r90 bottom
FB1 "10A" "Ferrite SMD 1612" 89.6,59.1 r90 top
FB2 "7A" "inductor 0603/1603" 89.783,74.664 r0 top locked
FB3 "7A" "inductor 0603/1603" 121.575,60.975 r270 bottom
FB4 "7A" "inductor 0603/1603" 131.733,60.875 r270 top
FB5 "7A" "inductor 0603/1603" 120.8,132.075 r270 bottom locked
FB6 "1.2A" "inductor 0402/1005" 99.8,50.032 r90 bottom
FB7 "7A" "inductor 0603/1603" 119,53.8 r270 bottom
FB8 "1.2A" "inductor 0402/1005" 145.05,78.2 r180 bottom
FB9 "1.2A" "inductor 0402/1005" 117.068,118.825 r0 bottom
FB10 "1.2A" "inductor 0402/1005" 86.15,92.7 r90 bottom
FB11 "1.2A" "inductor 0402/1005" 145.4,138.7 r90 top locked
FB12 "1.2A" "inductor 0402/1005" 137,136.543 r270 top locked
FB13 "1.2A" "inductor 0402/1005" 135.65,142.5 r90 top locked
FB14 "1.2A" "inductor 0402/1005" 119.65,132.357 r90 top locked
FB15 "1.2A" "inductor 0402/1005" 113.65,132.357 r90 top locked
FB16 "1.2A" "inductor 0402/1005" 127.875,139.575 r90 top
FB17 "1.2A" "inductor 0402/1005" 95.412,59.4 r0 top
FB18 "1.2A" "inductor 0402/1005" 94.437,101.625 r180 top
FB19 "1.2A" "inductor 0402/1005" 102.875,114.443 r90 top
FB20 "1.2A" "inductor 0402/1005" 140.193,121 r0 top
FB21 "7A" "inductor 0603/1603" 106.225,119.9 r90 top
FB22 "1.2A" "inductor 0402/1005" 84.45,139.725 r180 bottom
FB23 "1.2A" "inductor 0402/1005" 145.95,70.8 r180 bottom
FB24 "1.2A" "inductor 0402/1005" 106.093,108.4 r0 top
FB25 "7A" "inductor 0603/1603" 120.5,74.9 r270 top
FB26 "7A" "inductor 0603/1603" 118.791,68.425 r270 top
FB27 "1.2A" "inductor 0402/1005" 140.55,95.3 r90 top
HT1 "960-21-15-S-AB-0" "Heatsink BGA 21x21mm" 108.075,97.15 r90 top locked
J1 "5A" "USB C 12 Pin EXT 629722000214" 93.45,54.625 r0 top locked
J2 "7499111447" "RJ45 7499111447" 95.175,142.03 r180 top locked
J3 "SD micro" SD_micro_693071020811 87.075,102.075 r90 bottom locked
J4 "header_rasppi_61304021121" header_rasppi_61304021121 149.59,103.32 r90 top
J5 "HDMI_685119134923" HDMI_685119134923 110.75,52.4 r0 top locked
J6 "header 2 row x10" "header 2row x10" 91.3,82 r90 top locked
J7 "SJ-43514-SMT" "Jack SJ-43514-SMT" 141.15,139.5 r270 top locked
J8 "1775838-2" mini_PCIe_1775838-2 103.239,66.279 r180 bottom locked
J9 "693043020611" "nano SIM 693043020611" 86.425,80.85 r90 bottom locked
J10 "2199230-3" "SATA_M2_ 2199230-3" 132.527,53.643 r180 top locked
J11 "USB A" USBA_stacked_61400826021 120.65,136.845 r180 top locked
J12 "5A" "USB C 12 PIN 629722000214" 130.1,141.875 r180 top locked
L1 "4.7µ" "inductor 4030 74438357047" 82.365,76.075 r0 top locked
L2 "90Ohm" "inductor coupled usb 0603" 93.45,58.275 r90 top
L3 "90Ohm" "inductor coupled usb 0603" 90.175,72.946 r90 bottom
L4 "90Ohm" "inductor coupled usb 0603" 115.875,128.775 r90 top locked
L5 "90Ohm" "inductor coupled usb 0603" 109.9,128.775 r90 top locked
L6 "90Ohm" "inductor coupled usb 0603" 130.1,138.3 r90 top
L7 "90Ohm" "inductor coupled usb 0603" 138.625,60.85 r90 bottom
L8 "1µ" "inductor 4020 MAPI" 100.025,79.885 r90 top
L9 "1µ" "inductor 4020 MAPI" 100,74.99 r270 top locked
L10 "1µ" "inductor 4020 MAPI" 110.16,69.925 r0 top
L11 "1µ" "inductor 4020 MAPI" 115.15,75.85 r270 top locked
L12 "1µ" "inductor 4020 MAPI" 105.35,69.925 r180 top
M1 "Marking CE" "MARKING CE" 125.1,130.9 r0 top
M2 "Marking RoHS" "MARKING ROHS" 124.2,125.7 r0 top
M3 "Marking number" "MARKING number" 151.6,129.8 r90 top
M4 "marking IP" "MARKING IP" 142.7,82.8 r90 bottom
MT1 "Mounting hole" mountinghole 148.15,144.7 r0 top
MT2 "Mounting hole" mountinghole 83.15,144.7 r0 top
MT3 "Mounting hole" mountinghole 83.15,51.45 r0 top
MT4 "Mounting hole" mountinghole 148.15,51.45 r0 top
PB1 "pb_434121025816" pb_434121025816 147.65,57.7 r270 top locked
PB2 "pb_434121025816" pb_434121025816 147.65,67.1 r90 top locked
PB3 "pb_434121025816" pb_434121025816 83.75,111.5 r180 top
PB4 "pb_434121025816" pb_434121025816 83.75,116.9 r180 top
PB5 "pb_434121025816" pb_434121025816 83.75,122.3 r180 top
Q1 "NX6008NBK" "Sot-23-3 mosfet" 88.9,107.1 r0 top
Q2 "NX6008NBK" "Sot-23-3 mosfet" 110.925,51.736 r270 bottom
Q3 "NX6008NBK" "Sot-23-3 mosfet" 106.625,51.736 r270 bottom
Q4 "NX6008NBK" "Sot-23-3 mosfet" 108.625,63.225 r180 top
Q5 "NX6008NBK" "Sot-23-3 mosfet" 105.15,63.225 r180 top
R1 "100k" "Res 0402/1005" 102.8,83.075 r90 top
R2 "100k" "Res 0402/1005" 103.925,83.075 r90 top
R3 "100k" "Res 0402/1005" 103.95,80.825 r90 bottom
R4 "100k" "Res 0402/1005" 105.033,83.075 r90 top
R5 "2M2" "Res 0402/1005" 96.85,94.2 r90 top
R6 "100k" "Res 0402/1005" 109.614,80.825 r90 bottom
R7 "0" "Res 0603/1603" 103.525,82.85 r0 bottom
R8 "DNP" "Res 0603/1603" 103.525,84.425 r180 bottom
R9 "100k" "Res 0402/1005" 102.15,79.05 r0 bottom
R10 "DNP" "Res 0402/1005" 108.925,83.75 r0 top
R11 "2M2" "Res 0402/1005" 96.85,92.3 r90 top
R12 "DNP" "Res 0603/1603" 96.65,102.896 r270 top
R13 "DNP" "Res 0603/1603" 96.65,99.85 r90 top
R14 "2M2" "Res 0402/1005" 96.85,90.4 r90 top
R15 "4.7k" "Res 0402/1005" 107.25,83.075 r90 top
R16 "4.7k" "Res 0402/1005" 106.142,83.075 r90 top
R17 "0" "Res 0603/1603" 91.65,72.896 r270 bottom
R18 "0" "Res 0603/1603" 93.125,72.896 r270 bottom
R19 "0" "Res 0603/1603" 111.275,113.4 r180 top
R20 "0" "Res 0603/1603" 111.275,111.85 r180 top
R21 "0" "Res 0603/1603" 126.893,60.9 r270 bottom
R22 "0" "Res 0603/1603" 128.468,60.9 r270 bottom
R23 "0" "Res 0603/1603" 140.65,118 r0 top
R24 "0" "Res 0603/1603" 140.65,116.4 r0 top
R25 "0" "Res 0603/1603" 100.95,63.4 r270 top
R26 "0" "Res 0603/1603" 102.55,63.4 r270 top
R27 "240" "Res 0402/1005" 131.573,96.15 r0 top locked
R28 "240" "Res 0402/1005" 131.573,83.75 r0 top locked
R29 "240" "Res 0402/1005" 129.815,96.15 r0 top locked
R30 "240" "Res 0402/1005" 129.815,83.75 r0 top locked
R31 "10k" "Res 0402/1005" 112.925,95.65 r0 bottom locked
R32 "10k" "Res 0402/1005" 118.75,91 r90 bottom locked
R33 "240" "Res 0402/1005" 131.575,120.9 r0 top locked
R34 "240" "Res 0402/1005" 131.573,108.55 r0 top locked
R35 "240" "Res 0402/1005" 119.488,100.328 r270 top
R36 "240" "Res 0402/1005" 129.825,120.9 r0 top locked
R37 "240" "Res 0402/1005" 129.815,108.55 r0 top locked
R38 "49R9" "Res 0402/1005" 138.994,73.807 r0 top locked
R39 "49R9" "Res 0402/1005" 138.994,79.75 r0 top locked
R40 "49R9" "Res 0402/1005" 138.994,74.725 r0 top locked
R41 "49R9" "Res 0402/1005" 137.217,69.657 r90 top locked
R42 "49R9" "Res 0402/1005" 137.836,71.99 r315 top locked
R43 "49R9" "Res 0402/1005" 140.459,75.943 r180 top locked
R44 "49R9" "Res 0402/1005" 141.3,74.3 r270 top locked